# Altium PCB openmv-ae3.PcbDoc (part 2 of 3)
Units mil, origin at the board's own origin, x right, y up, seen from the top; angles counter-clockwise.
Board outline 1000 x 1000 mil, 10 copper layers (Top, 2-GND, 3-H, L4-V, L5-H, L6-V, L7-PWR, L8-SIG, L9-GND, Bottom), stack 47.481 mil thick; 230 components, 156 nets, 939 pads, 483 vias.
Unrouted connection lines stored in the file: 1.
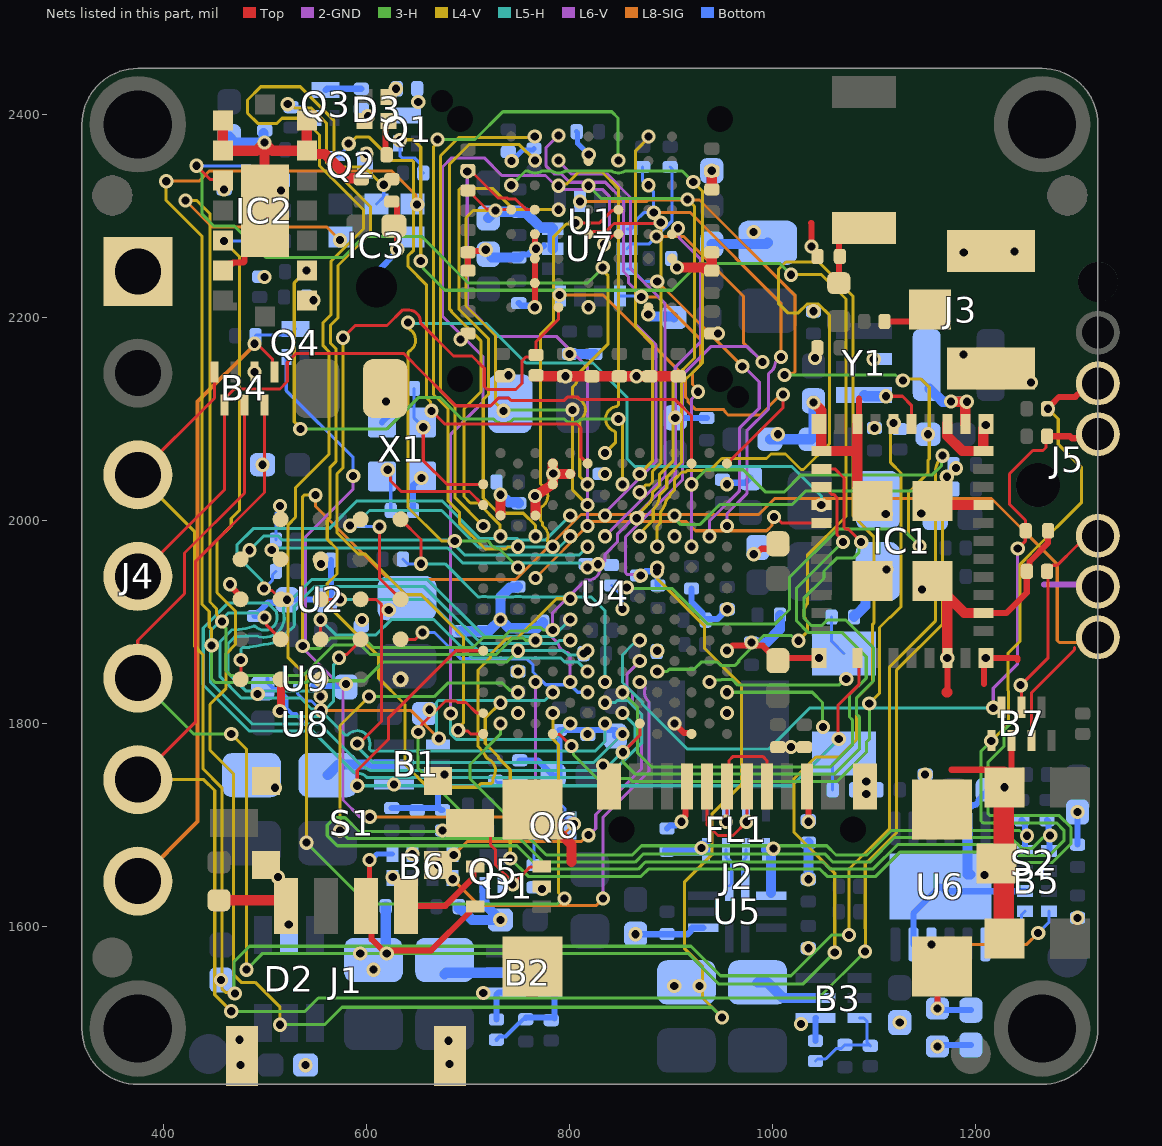
[diagram p10: the nets of this part, all layers, seen from the top]

## Via types
v1: diameter 14, hole 8, Top to Bottom, tented both sides, 183 vias
v2: diameter 14, hole 8, Top to L4-V, tented both sides, 147 vias
v3: diameter 14, hole 8, L7-PWR to Bottom, tented both sides, 83 vias
v4: diameter 14, hole 8, Top to L6-V, tented both sides, 69 vias
v5: diameter 14, hole 8, Top to Bottom, 1 vias

## Nets (pads, with @x,y where several pads share a name; then routed paths per layer and width w, separated by ;. In a path a pad name is that pad's centre, name@x,y a point inside that pad or via, vN(x,y) a via of type N, cw(c..) or ccw(c..) an arc to the next point about the centre after c; other vN are vias at no path point) (continued)
BT_H_WAKE: IC1.38 R7.2 U4.E1 | length 687.5
  Top w3: U4.E1@783.5,1790 783.97,1789.53 790.47,1789.53 v2(802,1778)
  3-H w3: v2(802,1778) 803.88,1776.12 803.88,1769.62 827.5,1746 859.1,1746 861.71,1743.39 1063.42,1743.39 1092.26,1772.22 1092.26,1782.12 1095,1784.86 v2(1095,1820)
  L4-V w3: v2(1095,1820) 1105,1830 1105,1894.68 1114.82,1904.5 1115.5,1904.5 1126.13,1915.13 1126.13,2046.87 1116,2057 1116,2093 v1(1119,2096)
BT_REG_ON: IC1.14 U4.A9 | length 782.9
  Top w3: v4(591,1739) 591,1754 622,1785 622,1802.92 ; 622,1802.93 622,1806 687.89,1871.89 U4.A9@715,1871.89 ; v4(1065,1785) 1064,1786 1064,1818 1085,1839 1085,1863.05 IC1.14@1083.21,1864.84
  L5-H w3: v4(591,1739) 1019,1739 v4(1065,1785)
BT_UART_CTS_N: IC1.5 U4.D16 | length 319.6
  Top w3: v1(1001.29,2003.38) 1002.88,2003.38 1008.55,1997.72 IC1.5@1047.78,1997.72
  L8-SIG w3: v1(766.38,1943.54) 821.83,1999 915,1999 924,1990 994,1990 999.21,1995.21 999.21,2001.3 v1(1001.29,2003.38)
BT_UART_RTS_N: IC1.4 U4.C17 | length 842.8
  3-H w3: v2(687,1980) 719.8,1980 720.68,1979.12 720.99,1978.8 ccw(c732.13,1984.49) 730.99,1972.04 v2(749.25,1953.78)
  L4-V w3: v4(641.01,2194.94) 640.7,2194.63 640.7,2189.86 641.58,2188.98 641.88,2188.68 cw(c635.99,2177.65) 642.13,2166.76 641.85,2166.49 640.97,2165.61 640.97,2012.93 673.9,1980 v2(687,1980)
  L5-H w3: v4(641.01,2194.94) 641.95,2194 718,2194 757,2155 823,2155 856.5,2121.5 856.5,2060.82 864.32,2053 1019,2053 1048,2024 v4@1048,2015
  other v4: 1047.78,2015.43
BT_UART_RX: IC1.3 U4.J5 | length 633.6
  Top w3: IC1.3@1047.78,2033.15 1052.7,2033.15 1056.12,2029.73 1056.12,2027.61 1057.88,2025.85 1059.9,2025.85 1063.12,2022.63 1063.12,1986.26 1069,1980.38 v2(1069,1979)
  3-H w3: v2(852.01,1830.94) 867,1815.95 867,1771.13 880.75,1757.39 1056.55,1757.39 1078.26,1779.09 1078.26,1803.89 1075.5,1806.65 1075.5,1828.4 1092,1844.9 1092,1866 1068.3,1889.7 1034.98,1889.7 1023.56,1901.13 1023.56,1933.57 v2(1069,1979)
BT_UART_TX: IC1.2 U4.K2 | length 691
  Top w3: v2(852.44,1771.98) 869.13,1788.67 U4.K2@869.13,1800.24 ; IC1.2@1047.78,2050.87 1061.13,2050.87 1070.12,2041.88 1070.12,1993.26 1071.88,1991.5 1074.5,1991.5 v2(1087,1979)
  3-H w3: v2(852.44,1771.98) 852.76,1771.67 852.76,1762.24 864.61,1750.39 1060.52,1750.39 1085.26,1775.12 1085.26,1806.79 1082.5,1809.55 1082.5,1825.5 1099,1842 1099,1875.1 1071.9,1902.2 1053.73,1902.2 1048.23,1896.7 1037.88,1896.7 1030.56,1904.03 1030.56,1923.56 1050.33,1943.33 1050.33,1950.44 1062.88,1963 1079.13,1963 1085,1968.87 1085,1977 v2(1087,1979)
CC1: J2.A5 R12.2 | length 47
  Top w6: v1(910.16,1703.5) 910.16,1705.66 913.97,1709.47 913.97,1736.64 J2.A5@915.79,1738.46
  Bottom w6: R12.2@896,1697 899,1700 v1@904.5,1700
CC2: J2.B5 R15.2 | length 35.5
  Top w6: J2.B5@1033.9,1738.46 1035.13,1737.23 v1(1035.13,1703.5)
D1_N: FL1.3 J2.A7 J2.B7 | length 121.9
  Top w3: J2.B7@935.47,1738.46 935.47,1700.53 946,1690 960.78,1690 v1(974.28,1703.5) 974.84,1704.07 J2.A7@974.84,1738.46
D1_P: FL1.2 J2.A6 J2.B6 | length 127.8
  Top w3: v1(954,1703.5) 955.16,1704.66 J2.A6@955.16,1738.46 956.85,1740.15 956.85,1763.85 961,1768 990,1768 994.15,1763.85 994.15,1738.84 J2.B6@994.53,1738.46
D2_N: FL1.6 U5.2 | length 31.1
  Bottom w3: U5.2@970.17,1646.31 970.17,1664.61 973.68,1668.12 FL1.6@973.68,1676
D2_P: FL1.7 U5.1 | length 39.6
  Bottom w3: FL1.7@954,1676 954,1668.12 956.43,1665.69 957.7,1665.69 959.46,1663.93 959.46,1642.74 U5.1@957.13,1640.41
DCMI_CLK: U1.C1 U4.K20 | length 569.1
  3-H w3: v2(742.55,2329.98) 756.57,2344 759.31,2344 ccw(c766.09,2354.5) 772.87,2344 782.36,2344 ccw(c789.14,2354.5) 795.93,2344 841.22,2344 ccw(c848,2354.5) 854.78,2344 910.79,2344 v2(921.68,2333.11)
  L4-V w3: v2(869.13,1984.49) 869.13,1987.28 882.38,2000.53 882.38,2009.86 882.38,2011.11 883.13,2011.86 ccw(c869.86,2025.13) 888.63,2025.13 889.47,2025.98 895.63,2032.13 895.63,2042.71 910.26,2057.33 910.26,2134.85 931,2155.59 931,2323.79 v2(921.68,2333.11)
DCMI_D0: U1.B5 U4.C19 | length 692.4
  3-H w3: v2(670,2375) 707,2375 734.38,2402.38 841.51,2402.38 847.69,2396.2 847.69,2354.81 v2(848,2354.5)
  L4-V w3: v2(670,2375) 670,2372.02 666.01,2368.03 666.01,2124.09 680.36,2109.74 680.36,2019.46 691.51,2008.31 691.51,1997.49 717.01,1971.99 737.3,1971.99 739.51,1974.19 749.19,1974.19 v2(749.25,1974.25)
DCMI_D1: U1.D5 U4.E19 | length 395
  Top w3: v2(806,2293) 829.59,2293 841.64,2305.06 847.16,2305.06 U1.D5@848.06,2305.96
  L4-V w3: v2(783.5,1974.25) 779.26,1978.49 778.39,1979.37 778.39,1980.61 778.39,1981.01 ccw(c766.38,1984.49) 774.35,1994.12 774.26,1994.21 773.38,1995.09 773.38,1998.18 771.47,2000.09 771.47,2012.39 772.34,2013.27 772.58,2013.51 ccw(c766.07,2024.18) 772.58,2034.85 772.34,2035.08 771.47,2035.96 771.47,2183.47 784,2196 784,2279 796.87,2291.87 804.87,2291.87 v2(806,2293)
DCMI_D2: U1.B2 U4.B20 | length 504.3
  L4-V w3: v2(732.13,1984.49) 731.41,1985.2 731.41,1995.99 710.09,2017.31 702.31,2017.31 696,2023.62 696,2110 713,2127 713,2176.37 684,2205.37 684,2206 682,2208 682,2351 701,2370 750.59,2370 v2(766.09,2354.5)
DCMI_D3: U1.A2 U4.A21 | length 482.3
  L4-V w3: v2(715,1994.72) 687.36,2022.36 687.36,2112.64 673.01,2126.99 673.01,2359.01 691.16,2377.16 764.93,2377.16 v2(765.78,2378.01)
DCMI_D4: U1.D3 U4.D20 | length 497.8
  L4-V w3: v2(766.38,1984.49) 766.38,1995.28 754.43,2007.22 730.08,2007.22 715.04,2022.26 715.04,2119.14 720,2124.1 720,2179.27 691,2208.27 691,2325.23 692.76,2326.99 724.01,2326.99 745.04,2305.96 v2(789.01,2305.96)
DCMI_D5: U1.C3 U4.H28 | length 346.3
  L4-V w3: v2(789.06,2329.5) 790.97,2331.41 797.41,2331.41 809,2343 832,2343 848,2327 848,2113.96 847.12,2113.09 846.44,2112.4 ccw(c848,2100) 843.69,2088.27 844.13,2087.83 845.01,2086.95 845.01,2076.53 v2(834.88,2066.41)
DCMI_D6: U1.A3 U4.H22 | length 472.3
  L4-V w3: v4(834.88,2004.96) v4@834.88,2007.76
  L6-V w3: v4(789,2379) 776.64,2366.64 776.64,2349.32 784.8,2341.16 791.78,2341.16 799.94,2333 835.1,2333 853,2315.1 853,2245.1 858,2240.1 858,2234 865,2227 865,2193 885,2173 885,2057.87 834.88,2007.76 v4(834.88,2004.96)
DCMI_D7: U1.B3 U4.H20 | length 458.5
  L6-V w3: v4(789.14,2354.5) 789.14,2353.69 801.84,2341 837,2341 860,2318 860,2248 894,2214 894,2043.61 v4(834.88,1984.49)
DCMI_GPIO0: U1.E5 U4.F2 | length 965.2
  Top w3: v4(834,2272) 842.64,2280.64 846.75,2280.64 U1.E5@848.06,2281.95
  L5-H w3: v4(683,1810) 683,1790 688.5,1784.5 784.89,1784.5 v4(800.63,1800.24)
  L6-V w3: v4(683,1810) 683,2085 715,2117 715,2161 675,2201 675,2348 684,2357 716,2357 733.32,2339.68 776.39,2339.68 790.07,2326 832.2,2326 839.1,2319.1 839.1,2277.1 v4(834,2272)
DCMI_GPIO1: U1.E7 U4.F6 | length 536.5
  Top w3: U1.E7@900.82,2281.95 U1.E7@901.6,2281.95
  Top w6: U1.E7@901.6,2281.95 901.6,2282.63 906.69,2287.72 v4(906.79,2287.72)
  L6-V w3: v4(800.63,1841.18) 800.63,1867.37 798.12,1869.88 cw(c800.63,1882.13) 788.38,1879.62 783,1885 783,1909 815.33,1941.33 816.57,1941.33 816.69,1941.33 ccw(c817.76,1953.78) 830.21,1954.85 830.21,1954.96 830.21,1956.21 835,1961 835,1966.93 847.38,1979.31 847.38,1987.09 904,2043.71 904,2151 929,2176 929,2257.13 907.73,2278.4 907.73,2286.78 v4(906.79,2287.72)
DCMI_HSYNC: U1.A6 U4.K26 | length 348.4
  L4-V w3: v2(869.13,2045.91) 881.5,2058.27 881.5,2174.5 865,2191 865,2364 v2@878,2377
  other v2: 877.59,2378.01
DCMI_PCLK: U1.C4 U4.K22 | length 442.8
  3-H w3: v2(818.69,2329.5) 831.14,2317.05 915,2317.05 v2(916.02,2316.03)
  L4-V w3: v2(866.13,2002.24) 866.13,2004.76 874.6,2013.22 875.38,2014.01 cw(c878.14,2012.82) 876.38,2015.25 ccw(c869.13,2025.43) 881.58,2026.6 881.58,2026.73 881.58,2027.98 888.63,2035.03 888.63,2045.61 902,2058.97 902,2139 923,2160 923,2309.23 916.2,2316.03 v2(916.02,2316.03)
DCMI_PWDN_N: B1.1 U4.E5 U8.3 U9.B2 | length 320.1
  L8-SIG w3: v3(555.23,1813.26) 643.58,1813.26 v1(671.34,1785.5)
  L5-H w3: v1(671.34,1785.5) 669,1787.84 669,1821.15 670.76,1822.91 775.47,1822.91 v4(783.5,1830.94)
  Bottom w3: U9.B2@532.13,1837.13 532.13,1829.67 539.29,1822.51 545.98,1822.51 v3(555.23,1813.26)
DCMI_RST_N: R5.2 U1.H3 U4.A1 | length 811.3
  Top w3: v2(577,2180) 589,2192 620.39,2192 635.83,2207.44 640.13,2207.44 cw(c640.13,2204.44) 640.42,2207.42 cw(c641.01,2194.94) 653.5,2194.35 685.85,2162 704,2162 716,2150 716,2132 719.05,2128.95 746.95,2128.95 753.4,2135.4 753.4,2157.4 756.95,2160.95 764.95,2160.95 R5.2@767,2163 767,2176 789.01,2198.01 U1.H3@789.01,2209.9 ; v2(690.37,1793.58) 691.16,1792.79 699.84,1792.79 702.63,1790 U4.A1@715,1790
  L4-V w3: v2(577,2180) 577,2052 571,2046 571,1988 592,1967 599.1,1967 639.1,1927 654,1927 695.5,1885.5 695.5,1800.83 690.37,1795.7 v2(690.37,1793.58)
DCMI_SCL: R3.1 U1.D2 U4.G21 | length 514.3
  Top w3: R3.1@700,2345 702,2345 729.52,2317.48 738.91,2317.48 740,2316.38 746.87,2316.38 757.29,2305.96 U1.D2@765.78,2305.96
  L6-V w3: v4(699.28,2343.52) 699.28,2210.37 728.65,2181 787.51,2181 817.76,2150.76 v4(817.76,1994.72)
DCMI_SDA: R4.1 U1.D1 U4.G23 | length 457
  Top w3: R4.1@700,2325 700.69,2325 706,2319.69 706,2319 718.31,2306.69 725.62,2306.69 v4(727.1,2305.21) ; v4@727.16,2305.54 727.59,2305.96 U1.D1@742.55,2305.96
  3-H w3: v2(735,2108) 736,2109 v2(803,2109)
  L4-V w3: v4(727.1,2305.21) 705.21,2305.21 698,2298 698,2211.17 727,2182.17 727,2116 v2(735,2108) ; v2(803,2109) 803,2029.95 v2(817.76,2015.2)
DCMI_VSYNC: U1.E4 U4.K24 | length 352.3
  Top w3: U1.E4@818.53,2281.95 820.39,2281.95 822.94,2284.5 835.88,2284.5 837.64,2286.26 843.69,2292.32 843.69,2292.37 888.72,2292.37 v2(889.68,2293.32)
  L4-V w3: v2(869.08,2027.91) 873,2031.83 873,2033.24 874.26,2034.51 ccw(c869.13,2045.91) 875.24,2035 878.7,2035 881.63,2037.93 881.63,2048.51 890,2056.87 890,2293.01 v2(889.68,2293.32)
DEBUG_RST_N: B7.7 C38.2 J5.3 R37.1 U4.K10 | length 797.6
  Top w3: v1(1241.16,1972.4) 1248.52,1979.76 1248.52,1989.52 C38.2@1249,1990 1248.76,1990.24 1248.76,2000.24 1233,2016 1233,2046 1256,2069 1266,2069 1269,2072 1269,2082 R37.1@1270,2083
  Top w6: R37.1@1270,2083 1292.47,2083 1294.47,2081 1298,2081
  L5-H w3: 862.5,1878.5 852,1868 852,1840.64 872,1820.64 872,1819 916,1775 996,1775 1036.67,1815.67 v1(1217,1815.67) ; 862.53,1878.5 866.16,1882.13 v4(869.13,1882.13)
  L6-V w3: v1(1217,1815.67) 1217,1835 1241,1859 1241,1972.24 v1(1241.16,1972.4)
FB_1V2: B1.3 C73.1 R24.1 R25.2 | length 74.6
  Bottom w6: C73.1@625,1717 R25.2@671.59,1717 ; B1.3@670.59,1740.32 670.59,1718 R25.2@671.59,1717 ; R25.2@675,1715 673.59,1715 R25.2@671.59,1717
FB_1V8: B3.3 C67.1 R22.2 R23.2 | length 94.9
  Bottom w3: R23.2@1042,1468 1044.05,1470.05 1052.05,1470.05 1062.45,1480.45 1067.45,1480.45 C67.1@1071,1484 1095,1484 R22.2@1096,1483 1092.89,1486.11 1092.89,1506.89 1089.46,1510.32 B3.3@1085.59,1510.32
FB_3V3: B2.3 C65.1 R20.1 R21.2 | length 94.4
  Bottom w4: R21.2@728,1489 731.11,1492.11 737.11,1492.11 750.26,1505.26 750.88,1505.26 754.88,1509.26 C65.1@756.92,1509.26
  Bottom w6: C65.1@756.92,1511 784,1511 785,1510 785,1533.39 783.08,1535.32 B2.3@780.59,1535.32
FEED: ANT1.1 C46.1 L5.1 | length 64.7
  Top w6: L5.1@1065,2233.7 1065,2290.32 ANT1.1@1070.73,2296.05
FEED_DNP: J3.1 R32.1 | length 49.7
  Top w6: R32.1@1110,2196 1143.46,2196 J3.1@1154.96,2207.5
FLASH_CS#: R11.1 U2.C2 U4.F22 | length 468.3
  Top w3: v1(499.37,1933.08) 501.37,1931.09 507.04,1931.09 U2.C2@515.63,1922.5
  L5-H w3: v1(499.37,1933.08) 497.26,1935.19 497.26,1940.79 472.49,1965.56 472.49,1975.91 488.58,1992 563.32,1992 590.71,2019.39 674.51,2019.39 711.67,1982.22 748.85,1982.22 750.07,1981 776.67,1981 v4(800.63,2004.96)
  Bottom w3: v1(499.37,1933.08) 507.59,1941.3 507.59,1946.59 R11.1@511,1950
FLASH_D0: U2.D3 U4.G7 | length 315.8
  Top w3: v4(554.83,1902.41) 555,1902.23 U2.D3@555,1883.13
  L5-H w3: v4(554.83,1902.41) 569.75,1887.48 609.48,1887.48 624.41,1902.41 666.5,1902.41 704.12,1864.79 791.31,1864.79 795.48,1860.62 808.55,1860.62 v4(817.76,1851.42)
FLASH_D1: U2.D2 U4.J3 | length 638
  Top w3: v4(499.73,1904.59) 501.84,1902.48 501.84,1896.92 U2.D2@515.63,1883.13
  L5-H w3: v4(499.73,1904.59) 497.12,1904.59 492.48,1909.23 464.23,1909.23 446.67,1891.67 446.67,1840.82 487.83,1799.67 554.33,1799.67 595.67,1758.33 596.21,1757.79 cw(c591,1739) 601.85,1755.2 ccw(c603.49,1757.71) 602.78,1754.8 603.44,1754.13 603.58,1754 833.69,1754 864.51,1784.82 864.51,1797.97 v4(852.01,1810.47)
FLASH_D2: U2.C4 U4.J1 | length 452.6
  Top w3: v4(591.02,1780.66) 592.91,1780.66 615,1802.75 615,1901.87 615,1917 609.5,1922.5 U2.C4@594.37,1922.5
  L5-H w3: v4(591.02,1780.66) 591.02,1777.68 594.42,1774.28 594.42,1773.8 606.22,1762 824.01,1762 v4(852.01,1790)
FLASH_D3: U2.D4 U4.H4 | length 1008.9
  Top w3: v4(573,1865) 575.98,1865 578.98,1868 580.5,1868 594.37,1881.87 U2.D4@594.37,1883.13
  L5-H w3: v4(573,1865) 573,1863.24 567.5,1857.74 567.5,1821.82 560.18,1814.5 546.01,1814.5 535.12,1825.38 476.92,1825.38 456.04,1846.27 456.04,1881.04 466.4,1891.4 467.26,1892.27 ccw(c467.26,1954.74) 488.33,1895.93 cw(c489.33,1893.1) 491.33,1895.33 ccw(c499.73,1904.59) 511.5,1908.82 cw(c514.33,1909.8) 511.43,1910.57 503,1919 464.1,1919 439.44,1894.34 439.44,1838.16 484.93,1792.67 547.33,1792.67 587.67,1752.33 588.55,1751.45 589.79,1751.45 589.91,1751.45 cw(c591,1739) 599.88,1747.8 600.68,1747 836.58,1747 871.51,1781.92 871.51,1808.65 857.19,1822.97 846.83,1822.97 844.62,1820.77 834.94,1820.77 v4(834.88,1820.71)
FLASH_D4: U2.D5 U4.G5 | length 218.3
  Top w3: U2.D5@633.74,1883.13 648.36,1883.13 655.13,1889.91 v1(655.36,1889.91)
  L5-H w3: v1@815.7,1833 v1(817.76,1830.94)
  Bottom w3: v1(655.36,1889.91) 667.09,1889.91 693,1864 758,1864 764,1858 764,1851 776.58,1838.42 800.6,1838.42 808.01,1831 817.7,1831 v1(817.76,1830.94)
FLASH_D5: U2.E3 U4.F12 | length 549.3
  Top w3: v4(555,1827) U2.E3@555,1843.76
  L5-H w3: v4(555,1827) 553.17,1827 547.74,1832.43 481.25,1832.43 463.89,1849.79 463.89,1878.84 470.39,1885.34 ccw(c467.26,1954.74) 480.34,1886.51 491.86,1886.51 492.42,1886.51 ccw(c499.73,1904.59) 518.5,1909.9 518.5,1914.4 522.02,1917.92 546.1,1942 660,1942 716,1886 784.03,1886 v4(800.63,1902.6)
FLASH_D6: U2.E2 U4.H2 | length 398.4
  Top w3: v4(514.85,1812.64) v4@515.96,1813.75 ; U2.E2@515.63,1843.76 U2.E2@515.96,1843.43
  Top w8: v4@515.96,1813.75 U2.E2@515.96,1843.43
  L5-H w3: v4(514.85,1812.64) 516.47,1812.64 522.11,1807 561.22,1807 579.22,1789 580.46,1789 581.7,1789 581.84,1789.14 cw(c591.02,1780.66) 602.93,1776.87 602.93,1776.43 602.93,1775.19 605.12,1773 825.11,1773 834.88,1782.77 v4(834.88,1800.24)
FLASH_D7: U2.E1 U4.F10 | length 412.6
  Top w3: U2.E1@476.26,1843.76 476.39,1843.89 v4(476.39,1862.63)
  L5-H w3: v4(476.39,1862.63) 476.39,1873.24 478.14,1875 ccw(c478.14,1946.92) 498.6,1877.97 cw(c499.44,1875.09) 499.46,1878.09 ccw(c499.73,1904.59) 521.36,1889.27 cw(c523.79,1887.51) 521.94,1889.87 ccw(c478.14,1946.92) 528.11,1895.19 ccw(c526,1897.32) 528.94,1896.71 529,1897.01 529,1915 549,1935 657.1,1935 713.1,1879 786.93,1879 790.06,1882.13 v4(800.63,1882.13)
FLASH_DQSM: U2.C3 U4.G9 | length 287.1
  Top w3: U2.C3@555,1922.5 573.81,1922.5 v4(574.01,1922.29)
  L5-H w3: v4(574.01,1922.29) 659.91,1922.29 710.2,1872 793.3,1872 ccw(c800.63,1882.13) 795.07,1870.93 798.38,1867.62 810.51,1867.62 814.78,1871.89 v4(817.76,1871.89)
FLASH_INT#: R9.1 U2.A5 U4.H6 | length 342.3
  Top w3: U2.A5@633.74,2001.24 653.68,1981.3 v1(653.68,1957.47)
  L5-H w3: v1(653.68,1957.47) 677.53,1957.47 709.22,1925.78 710.1,1924.9 711.34,1924.9 711.72,1924.9 cw(c715,1912.83) 719.32,1924.56 744.93,1924.56 cw(c749.25,1912.83) 753.57,1924.56 821.67,1924.56 834.88,1911.35 v4(834.88,1841.18)
  Bottom w3: R9.1@636,1962 636,1961.86 640.39,1957.47 v1(653.68,1957.47)
FLASH_RST#: U2.A4 U4.F20 | length 242
  L5-H w3: v4(584,1995) 586.1,1997.1 590.36,1997.1 603.15,2009.89 674.11,2009.89 710,1974 790.14,1974 v4(800.63,1984.49)
FLASH_RSTO#: R10.1 U2.A2 | length 35.1
  Bottom w3: R10.1@511,1981 511,2007.5 514.98,2011.49 v1(514.98,2014.46)
FLASH_SCLK_N: U2.B1 U4.G19 | length 349.9
  L5-H w3: v4(484.99,1970.73) 499.26,1985 513,1985 517,1981 681.9,1981 696.84,1966.06 809.56,1966.06 v4(817.76,1974.25)
FLASH_SCLK_P: U2.B2 U4.G17 | length 319.6
  L5-H w3: v4(506.91,1971.06) 508.85,1973 680,1973 694.81,1958.19 810.5,1958.19 814.9,1953.78 v4(817.76,1953.78)
FLASH_WP#: R8.1 U2.C5 | length 97.3
  Top w3: v1@613,1990 613,1943.24 U2.C5@633.74,1922.5
  Bottom w3: R8.1@594.74,2000.11 594.74,1999.42 600.05,1994.11 600.89,1994.11 601,1994 v1(613,1994)
GND: B1.4 B2.4 B3.4 B4.2 B5.2 B6.2 B7.2 C1.1 C2.1 C3.2 C4.1 C5.1 C6.1 C7.1 C8.1 C9.1 C10.1 C11.1 C12.1 C13.1 C14.1 C15.1 C16.1 C17.1 C18.1 C19.1 C20.1 C21.1 C22.1 C23.1 C24.1 C25.1 C26.1 C27.1 C28.1 C29.1 C30.1 C31.1 C32.1 C33.1 C34.2 C35.2 C36.1 C37.1 C38.1 C39.2 C40.2 C41.2 C42.2 C43.2 C44.2 C45.2 C46.2 C47.1 C48.1 C49.1 C50.2 C51.2 C52.2 C53.1 C54.2 C55.1 C56.2 C57.2 C58.2 C59.1 C60.1 C61.1 C62.2 C63.2 C64.2 C66.2 C68.1 C69.1 C70.1 C71.2 C72.1 C74.1 C75.1 C76.2 C77.1 C78.1 C79.2 C80.2 C81.2 C82.1 C83.2 C84.1 C85.1 C86.2 C87.2 C88.1 C89.2 C90.1 C91.1 C92.2 C93.1 C94.1 C95.2 C96.1 C97.1 C98.1 C99.1 C100.1 C101.1 C102.2 C103.1 C104.1 C105.2 C106.1 C107.1 C108.1 C109.2 C110.2 C111.1 C112.1 C113.1 C114.1 C115.1 C116.1 C117.1 C118.1 C119.2 C120.1 D1.2 D2.2 D4.2 FL1.5 FL1.8 IC1.1 IC1.12 IC1.19 IC1.21 IC1.23 IC1.29 IC1.32 IC1.33 IC1.35 IC1.40 IC1.42 IC1.43 IC1.44 IC1.45 IC1.46 IC2.A2 IC2.A6 IC2.A7 IC2.B4 IC2.C1 IC2.C6 IC2.C7 IC3.2 IC3.3 J1.1 J1.S1 J1.S2 J2.A1 J2.A12 J3.2 J3.3 J4.1 J5.5 Q5.2 R5.1 R12.1 R14.2 R15.1 R19.1 R21.1 R23.1 R25.1 R31.1 R38.2 R39.1 R51.1 R55.1 R56.1 S1.MP1 S1.MP2 S1.MP3 S1.MP4 S2.2 S2.3 S2.4 U1.B1 U1.B4 U1.C6 U1.E2 U1.F2 U1.F7 U1.G2 U1.H2 U1.H4 U1.H6 U2.B3 U2.C1 U2.E5 U4.B12 U4.B22 U4.B24 U4.C3 U4.D22 U4.E25 U4.E27 U4.F26 U4.G1 U4.H26 U4.L9 U4.M2 U4.M20 U4.N1 U4.R3 U4.R9 U4.R13 U4.R25 U5.3 U5.8 U6.5 U6.11 U6.13 U7.6 U7.7 U8.2 U8.5 U9.B1 X1.2 X1.4 Y1.2 | length 4253.8
  Top w6: IC2.A2@458.66,2245.94 465.5,2252.79 467.81,2252.79 469.02,2254 479,2254 480.03,2255.03 480.03,2285.03 IC2.B4@500,2305 ; v1(465.68,1937.36) 465.68,1935.9 471.74,1929.85 471.74,1929.66 476.26,1925.14 U2.C1@476.26,1922.5 ; R55.1@625,2314 626.5,2314 629.5,2311 629.5,2309.5 630.31,2308.69 v1(630.31,2267) ; C7.1@700,2246 C21.1@700,2264 701.3,2265.3 716.14,2265.3 v1(717.45,2266.61) ; v1(765.78,2209.9) U1.G2@765.78,2233.91 U1.F2@765.78,2257.93 U1.E2@765.78,2281.95 ; R5.1@767,2143 795,2143 v2(796,2142) ; v2(903.39,1800.24) 912.89,1790.73 919.35,1790.73 U4.N1@920.02,1790.06 ; v2(954.92,1871.95) 955.39,1871.95 960.44,1877 990.13,1877 C89.2@1005,1862.13 1005,1864.84 v2(1045.33,1864.84) ; v1(981.25,1966.84) 983.31,1966.84 988.77,1972.29 1000.16,1972.29 C95.2@1005,1977.13 ; 1037.82,2292.71 1038.12,2292.71 v1(1038.12,2269.87) ; IC1.40@1083.21,2095.16 1085,2095.16 1085,2120 ; 1171.79,1831 v2(1171.79,1864.84) ; 1175.97,1754.71 1228,1754.71 v1(1228,1737.5) 1235.16,1737.5 B7.2@1235.16,1783.66 ; IC1.23@1207.22,1909.13 1230.13,1909.13 1250,1929 R51.1@1250,1950 1252.74,1952.74 1252.74,1959.74 1270.76,1977.76 1270.76,1989.76 C38.1@1271,1990 ; 1208,1839 1208,1864.84 v2(1209.67,1864.84) 1241,1864.84 1241,1863
  Top w10: D4.2@455,1626.3 515.45,1626.3 J1.1@520.94,1620.8 ; IC2.A7@458.66,2393.58 IC2.A6@458.66,2364.06 491.57,2364.06 v1(499.62,2372.1) ; IC2.B4@500,2305 499.62,2305.38 v1(499.62,2372.1) ; IC2.C7@541.34,2393.58 IC2.C6@541.34,2364.06 ; C76.2@595,2336 594.02,2336.98 583.02,2336.98 559.09,2360.91 544.48,2360.91 IC2.C6@541.34,2364.06 ; U4.B22@732.13,2004.96 v1(732.13,2025.43) ; U4.D22@766.38,2004.96 766.38,2023.87 v1(766.07,2024.18) U4.E25@783.5,2035.67 783.5,2045.72 v1(783.97,2046.18) ; R5.1@767,2143 768,2142 C13.1@795,2142 v2(796,2142) C16.1@822,2142 C25.1@849,2142 v2(866,2142) C23.1@879,2142 C11.1@907,2142 ; U4.E27@783.5,2056.14 783.5,2046.34 783.82,2046.03 783.94,2045.91 U4.F26@800.63,2045.91 ; v1(905.61,2249.1) 932.23,2249.1 934.33,2247 939,2247 C31.1@940,2246 C29.1@940,2264 ; C24.1@940,2326 C18.1@940,2344 ; v1(1040.03,2116.3) 1040.03,2116.19 1047.78,2108.45 IC1.1@1047.78,2068.58 1079.27,2068.58 1083.21,2064.65 ; IC1.40@1083.21,2095.16 1083.21,2064.65 ; IC1.43@1097.97,2019.37 1083.21,2034.13 1083.21,2064.65 ; IC1.46@1157.03,1940.63 IC1.46@1171.79,1925.87 ; IC1.45@1157.03,2019.37 1160.96,2015.43 IC1.29@1207.22,2015.43 ; 1171,1831 1171.79,1831 ; v2(1171.79,1864.84) IC1.46@1171.79,1925.87 ; IC1.35@1171.79,2095.16 1171.79,2083.21 1186.42,2068.58 IC1.32@1207.22,2068.58 1207.22,2090.26 1209.67,2092.7 IC1.33@1209.67,2095.16 ; IC1.23@1207.22,1909.13 1188.52,1909.13 IC1.46@1171.79,1925.87 ; v1(499.62,2372.1) 507.67,2364.06 IC2.C6@541.34,2364.06
  Top w20: S2.2@1228,1588.5 1227.25,1589.25 1227.25,1736.75 v1(1228,1737.5)
  2-GND w6: 1267,1937 1309.17,1937 J5.5@1310.41,1935.75
  Bottom w4: C72.1@502.69,1844.42 502.69,1840.64 509.12,1834.21 512.91,1834.21 521.14,1825.97 521.14,1814.92 U8.2@526.61,1809.45 530.55,1809.45 U8.5@540,1800
  Bottom w5: v1(743,2354) 753.83,2364.83 763.83,2364.83 C17.1@765,2366 ; C19.1@807,2382.78 807.86,2381.92 807.86,2371.29 v1(818.9,2360.25)
  Bottom w6: C40.2@490,1906 491.5,1906 494.5,1909 494.5,1910.5 503.08,1919.08 518.96,1919.08 v3(522,1922.13) C10.1@560,1922.13 565,1927.13 C3.2@565,1961 ; U9.B1@547.87,1837.13 577.87,1837.13 v3(580,1839.25) ; IC3.3@610,2230 610,2244.52 630.31,2264.84 v1(630.31,2267) ; X1.4@615.32,2096.57 625,2106.26 C22.1@625,2130 ; C20.1@646,2010 646,2034.74 X1.2@654.68,2043.43 ; v3(675,1695) R19.1@700,1695 ; C6.1@720,2262.13 C6.1@723.13,2259 ; R21.1@728,1509 728,1533.39 729.92,1535.32 B2.4@737.28,1535.32 ; C50.2@750,2214 752.57,2211.43 764.25,2211.43 v1(765.78,2209.9) ; C26.1@750,2259 753,2262 759.36,2262 764.9,2267.54 v1(766.87,2267.54) 768.4,2269.07 773.28,2269.07 U7.6@774.74,2270.53 ; C37.1@751,1764 768.87,1764 C53.1@783.87,1749 790,1749 C108.1@790,1794 845,1794 C87.2@845,1787.87 ; v3(865,1592.87) 916.17,1592.87 919.69,1596.39 919.69,1598.24 920.7,1599.25 U5.8@931.59,1599.25 ; R38.2@867,1946 870,1949 873.87,1949 875.01,1950.14 v3(886.17,1950.14) 886.58,1949.72 886.58,1936.42 C118.1@887,1936 ; v3(904,2101.13) 904.13,2101 C93.1@935,2101 ; C101.1@920,1933 920,1920 931,1909 931,1905 C117.1@934,1902 935.01,1903.01 945.46,1903.01 950.67,1908.22 950.67,1909.72 953.67,1912.72 v1(955.17,1912.72) ; v1(954.92,2035.73) 956.45,2037.26 973.13,2037.26 C105.2@978,2042.13 ; R23.1@1042,1488 1042,1510.03 B3.4@1042.28,1510.32 ; v1(1162,1482.3) 1163.57,1483.87 C52.2@1195,1483.87 ; C57.2@1163.39,1548.66 1163.39,1548.87 1160.39,1551.87 1154.13,1551.87 1140.35,1565.65 1140.35,1580.99 U6.11@1138.43,1582.91 1138.43,1613.43 U6.13@1165,1640 1169.84,1635.16 B5.2@1248.19,1635.16 ; U6.5@1191.57,1697.09 1193.12,1698.63 1193.12,1716.49 1196.63,1720 1199.21,1720 1202.72,1723.51 1202.72,1724.99 1212.13,1734.39 C59.1@1212.13,1735 ; C62.2@1300,1681 v3(1300,1713.03)
  Bottom w10: C82.1@465,2377.87 470.77,2372.1 v1(499.62,2372.1) 498.86,2372.87 C80.2@498.86,2381.16 ; C85.1@619,1620 619,1575 v3(620,1574) ; C84.1@691,1620 691,1618.5 692,1617.5 693.5,1617.5 704,1607 C64.2@731.4,1607 ; C98.1@692,1891 C109.2@715,1891 720.53,1891 v1(732.13,1902.6) ; Q5.2@716.14,1641.22 716.14,1622.73 725.05,1613.82 725.05,1613.35 C64.2@731.4,1607 ; C78.1@720,2297.87 726.13,2304 C51.2@750,2304 751,2303 757,2303 771.82,2288.18 782.5,2288.18 U7.7@783.5,2287.18 U7.6@783.5,2267.5 ; C6.1@723.13,2259 C26.1@750,2259 ; v3(731.87,1607) C64.2@731.4,1607 ; v1(732.13,2025.43) 732.55,2025.43 739.98,2018 749,2018 C99.1@750,2017 ; C107.1@749,1935 748,1934 741,1934 732.13,1925.13 v1(732.13,1902.6) ; C115.1@774,1900 774,1898.5 773,1897.5 771.5,1897.5 768,1894 740.72,1894 v1(732.13,1902.6) ; v3(800,2164) C15.1@825,2164 ; v1(877.5,2203) 878.58,2203 880.58,2201 901.87,2201 C36.1@902.87,2200 ; R12.1@896,1675 929.83,1675 929.83,1680.34 934.31,1680.34 FL1.8@934.31,1676 ; C32.1@940,2272.13 993.66,2272.13 C5.1@995,2273.46 ; v3(979,1880) 994,1880 1007,1893 C113.1@1007,1907 ; FL1.5@993.37,1676 998.41,1676 U5.3@998.41,1633.4 ; C92.2@997.13,2080 C49.1@1037.87,2080 1040,2082.13 v1(1040.03,2116.3) C4.1@1040,2117.87 ; v3(1035,1647) R15.1@1035,1683 ; C35.2@1080,1905 1080,1906.5 1081,1907.5 1082.5,1907.5 1091.11,1916.11 1091.11,1937.65 C94.1@1103.46,1950 ; U6.5@1191.57,1697.09 1191.57,1651.63 U6.13@1194.51,1651.63
  other v1: 540.13,1464 1125,1505.87 523.63,1602.54 773,1637.35 513,1649 1208.27,1651.24 510,1737 817.76,1790 954.92,1810.53 886.26,1871.89 595.74,1902.24 1147,1932 1112,1952 555.29,1957.3 903.39,1984.49 1111.18,2006.48 1146.19,2006.94 654.09,2041.81 834.88,2045.91 619.5,2117.08 1254,2136 740,2143 489.84,2146.34 1099.45,2158.84 1187.62,2163.52 547.86,2216.85 1188,2264 1238,2265 981.19,2284.12 516,2325 940,2344.25
  other v2: 476,1464 682,1465 681,1488 475,1489 1092,1743 677,1750 833,1759 1018,1777 749.25,1810.47 633.74,1843.76 1209.67,2093.93 1041.5,2160.15 692.83,2178.37 946,2184 818.53,2209.9 877.59,2329.98
  other v3: 1027.79,1504.42 715,1535 903,1542 928,1542 457,1547.87 607,1558 594,1574 1035,1579 1300,1609 645.16,1671.81 1000.55,1677.09 929.83,1677.67 1092,1731 627.28,1740.32 1150,1750 662.14,1813.76 493.03,1829.37 813.92,1869.04 622,1912 828,1957 1171.3,2043.1 497.87,2055 1005,2085 1152.87,2085 1100,2091 1040,2206 499.79,2239.83 460,2326
  other v4: 670.65,1661.16
HFXO_N: C22.2 U4.A25 X1.1 | length 143.4
  Top w3: v1(655.95,2091.9) v1(655.95,2091.9) 656,2059 679.33,2035.67 U4.A25@715,2035.67
  Bottom w3: C22.2@647,2130 647,2100.85 v1(655.95,2091.9)
HFXO_P: C20.2 U4.A23 X1.3 | length 146
  Top w3: 623.58,2042.74 623.58,2039.42 634.33,2028.67 701.53,2028.67 U4.A23@715,2015.2
  Bottom w3: v1(621,2050) 624,2047 C20.2@624,2010
I2S_MIC_SCLK: IC3.4 U4.D10 | length 984.6
  3-H w3: v2(457.87,1900.65) 457.87,1897.68 462,1893.54 462,1852 466.51,1847.49 537.81,1847.49 567.82,1877.5 594.61,1877.5 604.11,1868 727.68,1868 744.07,1884.39 754.43,1884.39 756.64,1882.18 766.32,1882.18 v2(766.38,1882.13)
  L8-SIG w3: v1(422,2315) 448,2289 561,2289 v3(574,2276)
  L4-V w3: v1(422,2315) 422.16,2315.16 432.84,2315.16 446,2302 446,1919.83 452.37,1913.46 452.37,1907.91 457.87,1902.41 v2(457.87,1900.65)
I2S_MIC_SDI: IC3.6 R55.2 U4.E3 | length 1546.6
  3-H w3: v2(541,1683) 601.35,1622.65 787.74,1622.65 793.1,1628 v2(795,1628)
  L4-V w3: v2(541,1683) 541,1847 523,1865 523,1996 530.33,2003.33 530.33,2032.33 563,2065 563,2166.42 557.5,2171.92 557.5,2194.9 565,2202.4 565,2255 597,2287 597,2306.1 553.93,2349.17 553.93,2379.57 537.5,2396 517,2396 512,2391 493,2391 483,2401 483,2414 496,2427 534.9,2427 567.93,2393.97 567.93,2354.97 574.9,2348 598,2348 615.42,2330.58 v1(617.12,2330.58) ; v2(783.5,1810.47) 783.5,1785.15 789,1779.65 789,1634 v2(795,1628)
  Bottom w3: IC3.6@610,2311.65 617.12,2318.77 v1(617.12,2330.58)
I2S_MIC_WS: IC3.1 U4.C9 | length 1094
  3-H w3: v2(447.73,1877.18) 447.73,1844.1 451.34,1840.49 540.71,1840.49 542.56,1842.34 598.02,1842.34 616.68,1861 738.36,1861 v2(749.25,1871.89)
  L8-SIG w3: v1(403,2334) 435.26,2334 445.26,2344 625,2344 648.87,2320.13 648.87,2312.13 v3(650,2311)
  L4-V w3: v1(403,2334) 403,2315 438,2280 438,1917.93 445.37,1910.56 445.37,1895.48 447.73,1893.11 v2(447.73,1877.18)
IMU_CS#: R1.1 U4.R21 U7.12 | length 487.3
  L8-SIG w3: v3(882.82,2303.06) 918.94,2303.06 1008,2214 v1(1008,2161)
  L6-V w3: v4(954.92,1994.79) 954.92,2007.02 974.42,2026.52 974.42,2088.32 995.74,2109.65 995.74,2144.44 996.62,2145.32 996.83,2145.53 ccw(c990,2156) 1002.49,2155.49 v1(1008,2161)
  Bottom w3: U7.12@856.5,2287.18 860.77,2287.18 865.27,2291.68 865.27,2295.27 873.06,2303.06 v3(882.82,2303.06) 882.82,2323.18 872,2334 R1.1@872,2348
IMU_INT1: U4.R27 U7.4 | length 381.3
  Top w3: U4.R27@954.92,2056.2 955.2,2056.2 1010,2111 v1@1010,2124.36
  L8-SIG w3: v3(790.12,2221.95) 833.05,2221.95 914,2141 914,2121.76 916.5,2119.26 916.5,2116.82 923.82,2109.5 951.24,2109.5 953,2107.74 953,2107 956,2104 988,2104 1008,2124 v1(1010,2124)
IMU_INT2: U4.J15 U7.9 | length 1023.1
  3-H w3: v2(856.28,1934.01) 856.94,1933.35 900.65,1933.35 936,1898 1002,1898 1016.56,1912.56 1016.56,1944.23 1063.82,1991.5 1128.02,1991.5 v2(1144.53,1974.99) ; v1(1011.57,2143.36) 1120.74,2143.36 1126.17,2137.92 v2(1128,2137.92)
  L8-SIG w3: v3(810.16,2314) 876.08,2314 877.65,2315.56 927.83,2315.56 1022,2221.39 1022,2146.7 1020.24,2144.95 1013.16,2144.95 v1(1011.57,2143.36)
  L4-V w3: v2(1128,2137.92) 1129.57,2139.5 1145.6,2139.5 1154,2131.1 1154,2060.62 1153,2059.62 1153,2047 1133.69,2027.69 1133.69,1985.83 v2(1144.53,1974.99)
IMU_MISO: U4.N19 U7.1 | length 309.2
  L8-SIG w3: v3(870.51,2220.21) 886.79,2220.21 929,2178 929,2153.59 921,2145.59 921,2134.01 926.5,2128.51 v1(926.5,2126.76)
  L6-V w3: v4(920.02,1974.31) 920.02,2119.5 926.5,2125.98 v1(926.5,2126.76)
  Bottom w3: U7.1@849.53,2221 869.72,2221 v3(870.51,2220.21)
IMU_MOSI: U4.P20 U7.14 | length 348.8
  L8-SIG w3: v3(886.33,2235.32) 886.46,2235.32 v1(970,2151.78)
  L6-V w3: v4(937.64,1984.49) 937.64,1999.64 967,2029 967,2030.13 967.42,2030.55 967.42,2091.22 986.67,2110.47 986.67,2136.33 971.22,2151.78 v1(970,2151.78)
  Bottom w3: U7.14@856.5,2247.82 861,2247.82 865.5,2243.32 865.5,2242.76 872.94,2235.32 v3(886.33,2235.32)
IMU_SCLK: R2.1 U4.K16 U7.13 | length 623.1
  L8-SIG w3: v3(885.46,2279.55) 912.45,2279.55 971,2221 971,2175 v1(990,2156)
  L6-V w3: v4(870.01,1946.04) 869.05,1947 856.76,1947 855,1948.76 855,1984 911,2040 911,2143 939.5,2171.5 974.5,2171.5 v1(990,2156)
  Bottom w3: U7.13@856.5,2267.5 861,2272 877.91,2272 v3(885.46,2279.55) 901,2295.09 901,2346 R2.1@899,2348
JTAG_TCK: B7.6 J5.4 R51.2 U4.B4 | length 1197.4
  Top w3: B7.6@1245,1816.34 1245,1837 v2(1244,1838) 1271,1865 1271,1949 R51.2@1270,1950 1270,1950.69 1275.31,1956 1279.97,1956 1298.99,1975.02 1299.12,1975.02 1306.22,1982.13 J5.4@1307.23,1982.13
  3-H w3: v2(741.61,1667.43) 759.2,1649.85 870.4,1649.85 877.48,1656.93 1046.47,1656.93 1053.56,1649.85 1101.44,1649.85 1125.58,1673.98 1228.49,1673.98 1239.13,1663.34 1274.92,1663.34 1293.5,1681.92 1293.5,1698.08 1282.08,1709.5 1213.76,1709.5 1212,1711.26 1212,1762.32 1227.5,1777.82 1227.5,1793.5 1245,1811 1245,1837 v2(1244,1838)
  L4-V w3: v2(732.13,1820.71) 717,1805.58 717,1780.58 730.19,1767.39 730.19,1766.05 741.61,1754.63 v2(741.61,1667.43)
JTAG_TDI: R49.1 U4.C7
  other v1: 749.25,1851.42
JTAG_TDO: B7.3 J5.6 U4.E11 | length 1472.5
  Top w3: B7.3@1254.84,1783.66 1254.84,1830.84 1297,1873 1297,1875
  3-H w3: v2(537.33,1876.5) 539.43,1874.4 544.19,1874.4 544.59,1874 554.42,1874 564.92,1884.5 597.51,1884.5 607.01,1875 705,1875 715,1885 734.79,1885 741.17,1891.39 757.96,1891.39 761.2,1894.63 771.56,1894.63 773.76,1892.42 783.45,1892.42 v2(783.5,1892.36)
  L8-SIG w3: v1(550,2025) 550,2014 622,1942 747.16,1942 811.16,2006 986.23,2006 1001.88,2021.66 1215.34,2021.66 1280,1957 1280,1882 1282,1880 1311.74,1880 J5.6@1312,1879.74
  L4-V w3: v2(537.33,1876.5) 537.33,2023.57 539.09,2025.33 549.67,2025.33 v1(550,2025)
JTAG_TMS: B7.1 J5.2 R50.1 U4.A3 | length 1744.6
  Top w3: v2(651,1792) 651,1794.98 654.29,1798.27 654.29,1798.97 677.82,1822.5 688.18,1822.5 689.68,1821 698,1821 708.24,1810.76 714.71,1810.76 U4.A3@715,1810.47
  Top w6: R50.1@1270,2110 1270,2111.5 1273,2114.5 1274.5,2114.5 1281.72,2121.72 1297.83,2121.72 1303.37,2127.26 1306.12,2127.26 J5.2@1311.66,2121.72
  3-H w3: v2(651,1792) 651,1756 708.82,1698.18 708.82,1695.69 707.07,1693.93 592.74,1693.93 579.18,1707.5 568.82,1707.5 561.5,1700.18 561.5,1689.82 571.39,1679.93 748.27,1679.93 771.35,1656.85 867.5,1656.85 874.59,1663.93 1049.37,1663.93 1056.46,1656.85 1098.54,1656.85 1122.68,1680.98 1231.39,1680.98 1242.03,1670.34 1272.02,1670.34 1286.5,1684.82 1286.5,1695.18 1279.18,1702.5 1206.76,1702.5 1205,1704.26 1205,1773 v2(1215,1783)
  L4-V w3: v2(1215,1783) 1230,1798 1230.24,1798 1232,1799.76 1232,1832.32 1231.5,1832.82 1231.5,1869.5 1243.5,1881.5 1243.5,1957.06 1253.66,1967.22 1253.66,1967.66 1304,2018 1304,2052 1281,2075 1281,2100 v1(1271,2110)
LED_B: Q3.3 R41.1 | length 35.5
  Bottom w6: Q3.3@560,2423.78 561.22,2425 R41.1@595,2425
LED_B_D: D3.1 R41.2
  other v1: 601.43,2397.93
LED_B_INT: Q3.2 R46.1 U4.F14 | length 1129.2
  L4-V w3: v1@520.84,2406.16 522.44,2407.76 527.65,2407.76 529.24,2406.16 545.84,2406.16 560.83,2391.17 560.83,2382.57 560.93,2382.47 560.93,2352.07 604,2309 604,2283 572,2251 572,2199.5 564.5,2192 564.5,2174.82 570,2169.32 570,2058 564,2052 564,2002.58 561.51,2000.09 561.51,1981.49 571,1972 571,1947.49 561.51,1938 561.51,1917.12 611.82,1866.82 611.82,1845.18 638,1819 638,1760 660.5,1737.5 709.04,1737.5 712.65,1741.11 721.73,1741.11 722.79,1741.11 723.61,1741.77 ccw(c721.73,1744.11) 724.14,1742.32 724.55,1742.87 724.68,1743.55 ccw(c721.73,1744.11) 724.73,1744.23 ccw(c673.84,1741.79) 724.64,1745.72 cw(c727.63,1745.92) 725.08,1747.5 ccw(c714.5,1754.16) 719.57,1765.59 cw(c720.81,1768.31) 718.22,1766.81 ccw(c673.84,1741.79) 709.87,1777.81 709.87,1779.03 709.87,1852.87 722,1865 722,1868.1 737.19,1883.29 740.39,1883.29 741.49,1884.39 748.38,1884.39 787.06,1923.07 v2(800.63,1923.07)
  Bottom w3: v1(522.57,2409.86) 525.59,2406.85 536.15,2406.85 543.48,2399.52 547.84,2399.52 Q3.2@551.14,2396.22
LED_G: Q2.3 R42.1
  other v1: 600,2361
LED_G_D: D3.2 R42.2 | length 34.8
  Top w6: R42.2@620,2360 618.94,2361.06 618.94,2390.32 D3.2@621.81,2393.19
LED_G_INT: Q2.2 R45.1 U4.G27 | length 576.8
  Top w3: v2@664.52,2107.48 677,2095 807.24,2095 811.13,2091.11 811.13,2062.77 U4.G27@817.76,2056.14
  L4-V w3: v1(582.59,2370.97) 583.44,2370.97 589.84,2377.38 602.7,2377.38 625.49,2354.59 644.75,2354.59 646.51,2352.83 646.51,2266.04 641.01,2260.54 641.01,2250.18 659.01,2232.18 659.01,2121.19 662.97,2117.23 662.97,2109.03 v2(664,2108)
  Bottom w3: R45.1@540,2365 541.74,2363.26 548.74,2363.26 553.14,2358.86 Q2.2@571.22,2358.86 574.17,2358.86 577.59,2362.28 577.59,2363.72 582.59,2368.71 v1(582.59,2370.97)
LED_R: Q1.3 R43.1
  other v1: 651,2412
LED_R_D: D3.3 R43.2
  other v1: 629,2425
LED_R_INT: Q1.2 R44.1 U4.L7 | length 1160.1
  3-H w3: v2(653.51,2255.36) 655.61,2253.25 655.61,2248.88 656.39,2248.1 656.39,2247.61 677.33,2226.67 900.86,2226.67 927.19,2253 1007,2253 v2(1018,2242) ; v2(886.26,1851.42) 886.32,1851.48 896,1851.48 898.21,1853.68 922.56,1853.68 929.56,1860.68 945.69,1860.68 948.86,1857.51 963,1857.51 966.5,1861.01 966.5,1862.18 991.32,1887 1018.01,1887 1023.27,1881.74 v2(1025.27,1881.74)
  L4-V w3: v1(632.94,2374.36) 633.38,2374.81 646.19,2374.81 653.51,2367.49 v2(653.51,2255.36) ; v2(1018,2242) 1048,2242 1072,2218 1072,2004 1034,1966 1034,1917.82 ccw(c1043.06,1909.2) 1034,1900.59 1034,1890.47 v2(1025.27,1881.74)
  Bottom w3: v1(632.94,2374.36) 632.94,2359.06 635,2357 647,2357 652.95,2351.05 652.95,2345.05 R44.1@656,2342
LFXO_N: C35.1 U4.P6 Y2.1 | length 181.2
  3-H w3: v2(937.64,1841.18) 939.46,1843 949.24,1843 949.74,1843.51 960.1,1843.51 965.6,1838.01 1065.01,1838.01 1071.16,1844.16 v1(1072.31,1844.16)
  Bottom w3: C35.1@1058,1905 1058,1881.21 Y2.1@1070,1869.21
LFXO_P: C34.1 U4.R5 Y2.2 | length 162.9
  3-H w3: v2(954.92,1831.01) 1038.99,1831.01 1049.03,1820.97 1049.03,1797.31 v1(1049.5,1796.84)
  Bottom w3: C34.1@1059,1735 1059,1759.79 Y2.2@1070,1770.79
LPO_IN: IC1.37 Y1.3 | length 68.9
  Top w3: v1(1111.43,2122.34) 1127.66,2122.34 1136.36,2113.64 IC1.37@1136.36,2095.16
  Bottom w10: Y1.3@1090,2123.5 1091.16,2122.34 v1(1111.43,2122.34)
MIPI_R: R39.2 U4.J13 | length 28.3
  Bottom w3: R39.2@841.1,1936.17 841.79,1936.17 847.1,1930.86 847.1,1930.17 852.01,1925.26 v1(852.01,1912.83)
P0: B4.7 J4.6 U4.M22 | length 2190.8
  Top w3: J4.6@375,1745 432,1802 432,1960 499.69,2027.68 B4.7@499.69,2113.66
  3-H w3: v2(467,1517) 539.68,1517 552.68,1530 1044.98,1530 v2(1090.71,1575.73) ; v2(903.39,2004.96) 903.39,2002.17 909.55,1996 928,1996 947.88,2015.88 1019.12,2015.88 1032.23,2029 1157.73,2029 v2(1180.31,2051.58)
  L4-V w3: J4.6@375,1745 440,1745 450.77,1734.23 450.77,1533.23 v2(467,1517) ; v2(1090.71,1575.73) 1091.07,1576.09 1091.07,1598.63 1091,1598.7 1091,1662 1122,1693 1122,1853.1 1167,1898.1 1167,2038.27 v2(1180.31,2051.58)
P1: B4.6 J4.5 U4.L19 | length 2557.6
  Top w3: J4.5@375,1845 375,1882 421,1928 421,1968 480,2027 B4.6@480,2113.66
  3-H w3: J4.5@375,1845 430,1790 v2(467,1790) ; v2(482,1558) 498,1574 916.58,1574 946.58,1544 1030,1544 v2(1061,1575)
  L4-V w3: v2(467,1790) 482,1775 v2(482,1558) ; v2(886.26,1974.25) 886.26,1994.51 889.38,1997.63 889.38,2005.2 cw(c904.32,2005.2) 889.67,2008.12 cw(c892.61,2007.52) 890.23,2009.34 ccw(c869.86,2025.13) 894.98,2019.35 cw(c897.89,2018.65) 895.75,2020.75 899,2024 899,2025.6 903.45,2030.05 903.45,2040.62 910.7,2047.87 914.48,2047.87 915.73,2049.12 938.03,2049.12 949.91,2061 993.79,2061 998.22,2065.43 1012.61,2065.43 1027.83,2050.21 1030.31,2050.21 1056.05,2075.95 1056.05,2202.05 1045.1,2213 1033.68,2213 1025.18,2204.5 1014.82,2204.5 1005.5,2213.82 1005.5,2247.18 1012.82,2254.5 1045.4,2254.5 1079,2220.9 1079,2004.68 1099.5,1984.18 1099.5,1899.08 1098,1897.58 1098,1840.68 1082.5,1825.18 1082.5,1784.35 1065.54,1767.38 1042.38,1767.38 1021.08,1746.08 1021.08,1692.92 1061,1653 v2(1061,1575)
P2: B4.5 J4.4 U4.N27 | length 781.1
  Top w3: J4.4@375,1945 460.31,2030.32 460.31,2120.16 462.75,2122.59 463.09,2122.59 470.09,2129.59 514.93,2129.59 522.13,2136.8 522.13,2155.7 530.87,2164.44 636.83,2164.44 645.82,2155.46 645.82,2155.18 688,2113 722.32,2113 729.82,2120.5 740.18,2120.5 742.68,2118 794.32,2118 797.82,2121.5 808.18,2121.5 810.68,2119 904,2119 920.02,2102.98 U4.N27@920.02,2056.2
P3: B4.4 J4.3 U4.N25 | length 2150.3
  Top w3: J4.3@375,2045 450.47,2120.47 B4.4@450.47,2146.34
  3-H w3: v2(470.53,1534.65) 469.5,1535.68 469.5,1565.5 485,1581 919.48,1581 948.48,1552 1018,1552 1058,1592 v2(1075,1592) ; v2(920.02,2035.73) 934.29,2050 971,2050 993,2028 1011,2028 1028,2045 1157,2045 1166.29,2054.29 1166.29,2063 v2(1167.18,2063.9)
  L4-V w3: J4.3@375,2045 431,1989 431,1876.24 439,1868.24 439,1755.9 457.77,1737.13 457.77,1539.23 461.31,1535.69 469.49,1535.69 v2(470.53,1534.65) ; v2(1075,1592) 1075,1657 1115,1697 1115,1856 1160,1901 1160,2046.54 cw(c1184.52,2046.56) v2(1167.18,2063.9)
QWIIC_SCL: B6.8 D1.4 J1.4 | length 89.9
  Top w6: J1.4@639.06,1620.8 677.8,1620.8 705.29,1648.29 705.29,1657.66 D1.4@707.32,1659.68
  other v1: 626,1649
QWIIC_SCL_INT: B6.5 U4.K6 | length 397.1
  L8-SIG w3: v3(685,1647) 711.03,1620.97 825.97,1620.97 v1(833,1628)
  L6-V w3: v1(833,1628) 832.76,1628.24 832.76,1707.76 878,1753 878,1821.54 877.7,1821.84 cw(c886.26,1830.94) 874.25,1834.42 874.25,1834.82 874.25,1836.06 873.37,1836.94 v4(869.13,1841.18)
QWIIC_SDA: B6.1 D1.5 J1.3 | length 233.1
  Top w5: J1.3@599.68,1620.8 603,1624.12 v1(603,1666)
  Top w6: J1.3@599.68,1620.8 605.24,1615.25 605.24,1587.76 616,1577 664.01,1577 701.27,1614.26 701.27,1617.41 704.17,1620.32 D1.5@707.32,1620.32
  Bottom w5: v1(603,1666) 604.62,1666 610.43,1671.81 B6.1@625.47,1671.81
QWIIC_SDA_INT: B6.4 U4.K8 | length 345.1
  L8-SIG w3: v3(686,1671) 699,1684 811.28,1684 817.62,1690.35 v1(818.53,1690.35)
  L6-V w3: v1(818.53,1690.35) 819.22,1690.35 825.76,1696.89 825.76,1710.66 871,1755.9 871,1809.16 862.13,1818.02 862.13,1830.5 856.63,1836 856.63,1849.15 v4(869.13,1861.65)
RECOVERY_MODE: D1.3 Q5.1 Q6.1 R56.2 S1.2 | length 181.5
  Top w3: S1.2@702.14,1702.5 709.72,1702.5 722,1690.22 722,1681 727,1676 727,1661 744,1644 v1(744,1642) 760.88,1658.88 771.87,1658.88 D1.3@772.68,1659.68
  Bottom w3: v1(744,1642) 763,1661 R56.2@765,1661 765,1687.72 768.42,1691.14 Q6.1@771.22,1691.14
RST_N: C37.2 Q4.2 Q6.3 R36.1 U4.D6 | length 1005.1
  L8-SIG w3: v1(603.34,1708.38) 745.38,1708.38 760.75,1693 795.97,1693 v1(804.19,1701.22)
  L6-V w3: v1(587,2044) 587,2031 540,1984 540,1872 577,1835 577,1725 593.6,1708.4 v1(603.34,1708.38) ; v4(766.38,1841.18) 766.38,1732.62 795.85,1703.15 802.26,1703.15 v1(804.19,1701.22)
  Bottom w3: Q4.2@521.14,2161.22 521.14,2127.86 587,2062 v1(587,2044) ; R36.1@727,1744 729,1742 C37.2@751,1742 751,1732 758,1725 787,1725 795.48,1716.52 795.48,1703.3 Q6.3@798.78,1700
RST_N_EXT: B4.1 J4.7 Q4.3 R54.1 | length 655.6
  Top w3: v1(490,2174) 492.44,2174 507.45,2158.99 507.45,2148.42 B4.1@509.53,2146.34
  L8-SIG w4: J4.7@375,1645 434,1704 434,2117 490,2173 v1(490,2174)
  Bottom w3: R54.1@491,2182 491.55,2182.55 523.77,2182.55 Q4.3@530,2188.78
SEUART_RX: B5.1 U6.7 | length 55.5
  Bottom w3: U6.7@1209.29,1582.91 1220.91,1582.91 1244.82,1606.82 1244.82,1612.11 B5.1@1248.19,1615.47
SEUART_RX_INT: B5.4 R34.1 U4.B2 | length 697.5
  3-H w3: v2(732.13,1800.24) 732.13,1790.13 702,1760 702,1746 777.15,1670.85 861.7,1670.85 870.79,1679.93 1053.17,1679.93 1062.25,1670.85 1092.75,1670.85 1116.88,1694.98 1242.85,1694.98 1247.99,1689.84 v1(1250.1,1689.84)
  Bottom w6: R34.1@1245,1705 1245.19,1705 1248.19,1702 B5.4@1248.19,1674.53
SEUART_TX: B5.8 U6.10 | length 135.5
  L8-SIG w3: v3(1156.14,1582.91) 1250.08,1582.91 v3(1261.21,1594.04)
  Bottom w3: v3(1261.21,1594.04) 1271.81,1604.64 B5.8@1271.81,1615.47
SEUART_TX_INT: B5.5 R35.1 U4.C5 | length 1070
  3-H w3: v2(574,1695) 582.07,1686.93 751.17,1686.93 774.25,1663.85 864.6,1663.85 872.69,1671.93 1051.27,1671.93 1059.35,1663.85 1095.65,1663.85 1119.78,1687.98 1234.29,1687.98 1244.93,1677.34 1255.28,1677.34 1265.84,1687.9 1270.9,1687.9 v1(1273,1690) ; v2(602.5,1826.73) 666.73,1826.73 680,1840 734,1840 741.02,1832.98 747.22,1832.98 v2(749.25,1830.94)
  L4-V w3: v2(574,1695) 574,1798.23 v2(602.5,1826.73)
  Bottom w6: R35.1@1270,1705 1271.5,1703.5 1271.5,1691.5 v1(1273,1690) 1272.41,1689.41 1272.41,1675.12 B5.5@1271.81,1674.53
SHIELD: C52.1 J2.MP1 J2.MP2 J2.MP3 J2.MP4 R14.1 | length 146.8
  Top w6: v1(1162,1519.7) 1162,1556.53 J2.MP4@1166.57,1561.1
  Top w10: J2.MP1@763.43,1715.83 787.95,1691.3 791.49,1691.3 802,1680.79 802,1664
  Bottom w6: v1(1162,1519.7) 1163.57,1518.13 C52.1@1195,1518.13
SR_VLX: IC1.34 L6.1 | length 80.5
  Top w10: v1(1175.56,2117.25) 1175.8,2117 v1(1191,2117) 1191,2115.92 1189.51,2114.43 IC1.34@1189.51,2095.16
  Bottom w10: L6.1@1154.24,2130.13 1154.24,2129.63 1161.31,2122.57 1161.81,2122.57 1167.37,2117 v1(1191,2117)
SW_1V2: B1.5 L10.1 | length 69.6
  Bottom w10: L10.1@562,1749.46 572.54,1760 B1.5@627.28,1760
SW_1V8: B3.5 L9.1 | length 63.7
  Bottom w10: L9.1@985,1545.46 994.7,1545.46 1010.17,1530 B3.5@1042.28,1530
SW_3V3: B2.5 L8.1 | length 60.9
  Bottom w10: L8.1@677,1553.46 678.54,1555 B2.5@737.28,1555
TOF_I2C_GPIO: IC2.C2 R28.1 U4.J25 | length 568.5
  3-H w3: v2(535,2090) 620,2090 651,2121 673,2121 694,2100 725.32,2100 726.14,2099.19 ccw(c735,2108) 743.88,2099.2 744.68,2100 794.33,2100 ccw(c803,2109) 811.67,2100 v2(848,2100)
  L4-V w3: v2(535,2090) 535,2091.26 529,2097.26 529,2234 v1(541,2246) ; v2(848,2100) 852.01,2095.99 v2(852.01,2035.67)
TOF_I2C_INT: IC2.A3 R26.1 U4.L17 | length 1837.7
  3-H w3: v2(515.11,1503.81) 558.81,1503.81 576,1521 940,1521 v2(950,1511)
  L4-V w3: v1(460,2275) 475,2260 475,2010 467,2002 467,1994.9 453,1980.9 453,1929 471,1911 471,1878 462,1869 462,1835.07 446,1819.07 446,1774 469,1751 469,1553.32 476.82,1545.5 490.5,1545.5 515.11,1520.89 v2(515.11,1503.81) ; v4(886.26,1953.78) 886.26,1942.74 933,1896 933,1874 969,1838 969,1740 940,1711 940,1671 913,1644 913,1579 931,1561 931,1530 v2(950,1511)
  Bottom w3: v1(460,2275) R26.1@495,2275
TOF_I2C_LPN: IC2.A5 R27.1 U4.G25 | length 835.1
  Top w3: v1(432.78,2349.2) 446.08,2335.9 457.29,2335.9 IC2.A5@458.66,2334.53
  3-H w3: v1(432.78,2349.2) 432.78,2347.16 438,2341.94 438,2302 450,2290 470,2290 501,2259 577,2259 597.5,2279.5 654.5,2279.5 700.1,2233.9 817.9,2233.9 832.58,2248.58 v2(832.58,2249.1)
  L4-V w3: v2(817.76,2035.67) 810,2043.43 810,2098.4 810.88,2099.28 810.97,2099.37 ccw(c803,2109) 804.56,2121.4 803.88,2122.08 803,2122.96 803,2131.4 803.88,2132.28 803.97,2132.37 ccw(c796,2142) 808.46,2143.09 808.46,2143.21 808.46,2144.46 838,2174 838,2240.86 832.58,2246.29 v2(832.58,2249.1)
  Bottom w3: v1(432.78,2349.2) 432.98,2349 486,2349 489,2346 489,2345.31 494.31,2340 R27.1@495,2340